# Altium PCB LimePSB-RPCM_1v3.PcbDoc (part 1 of 10) (continued)
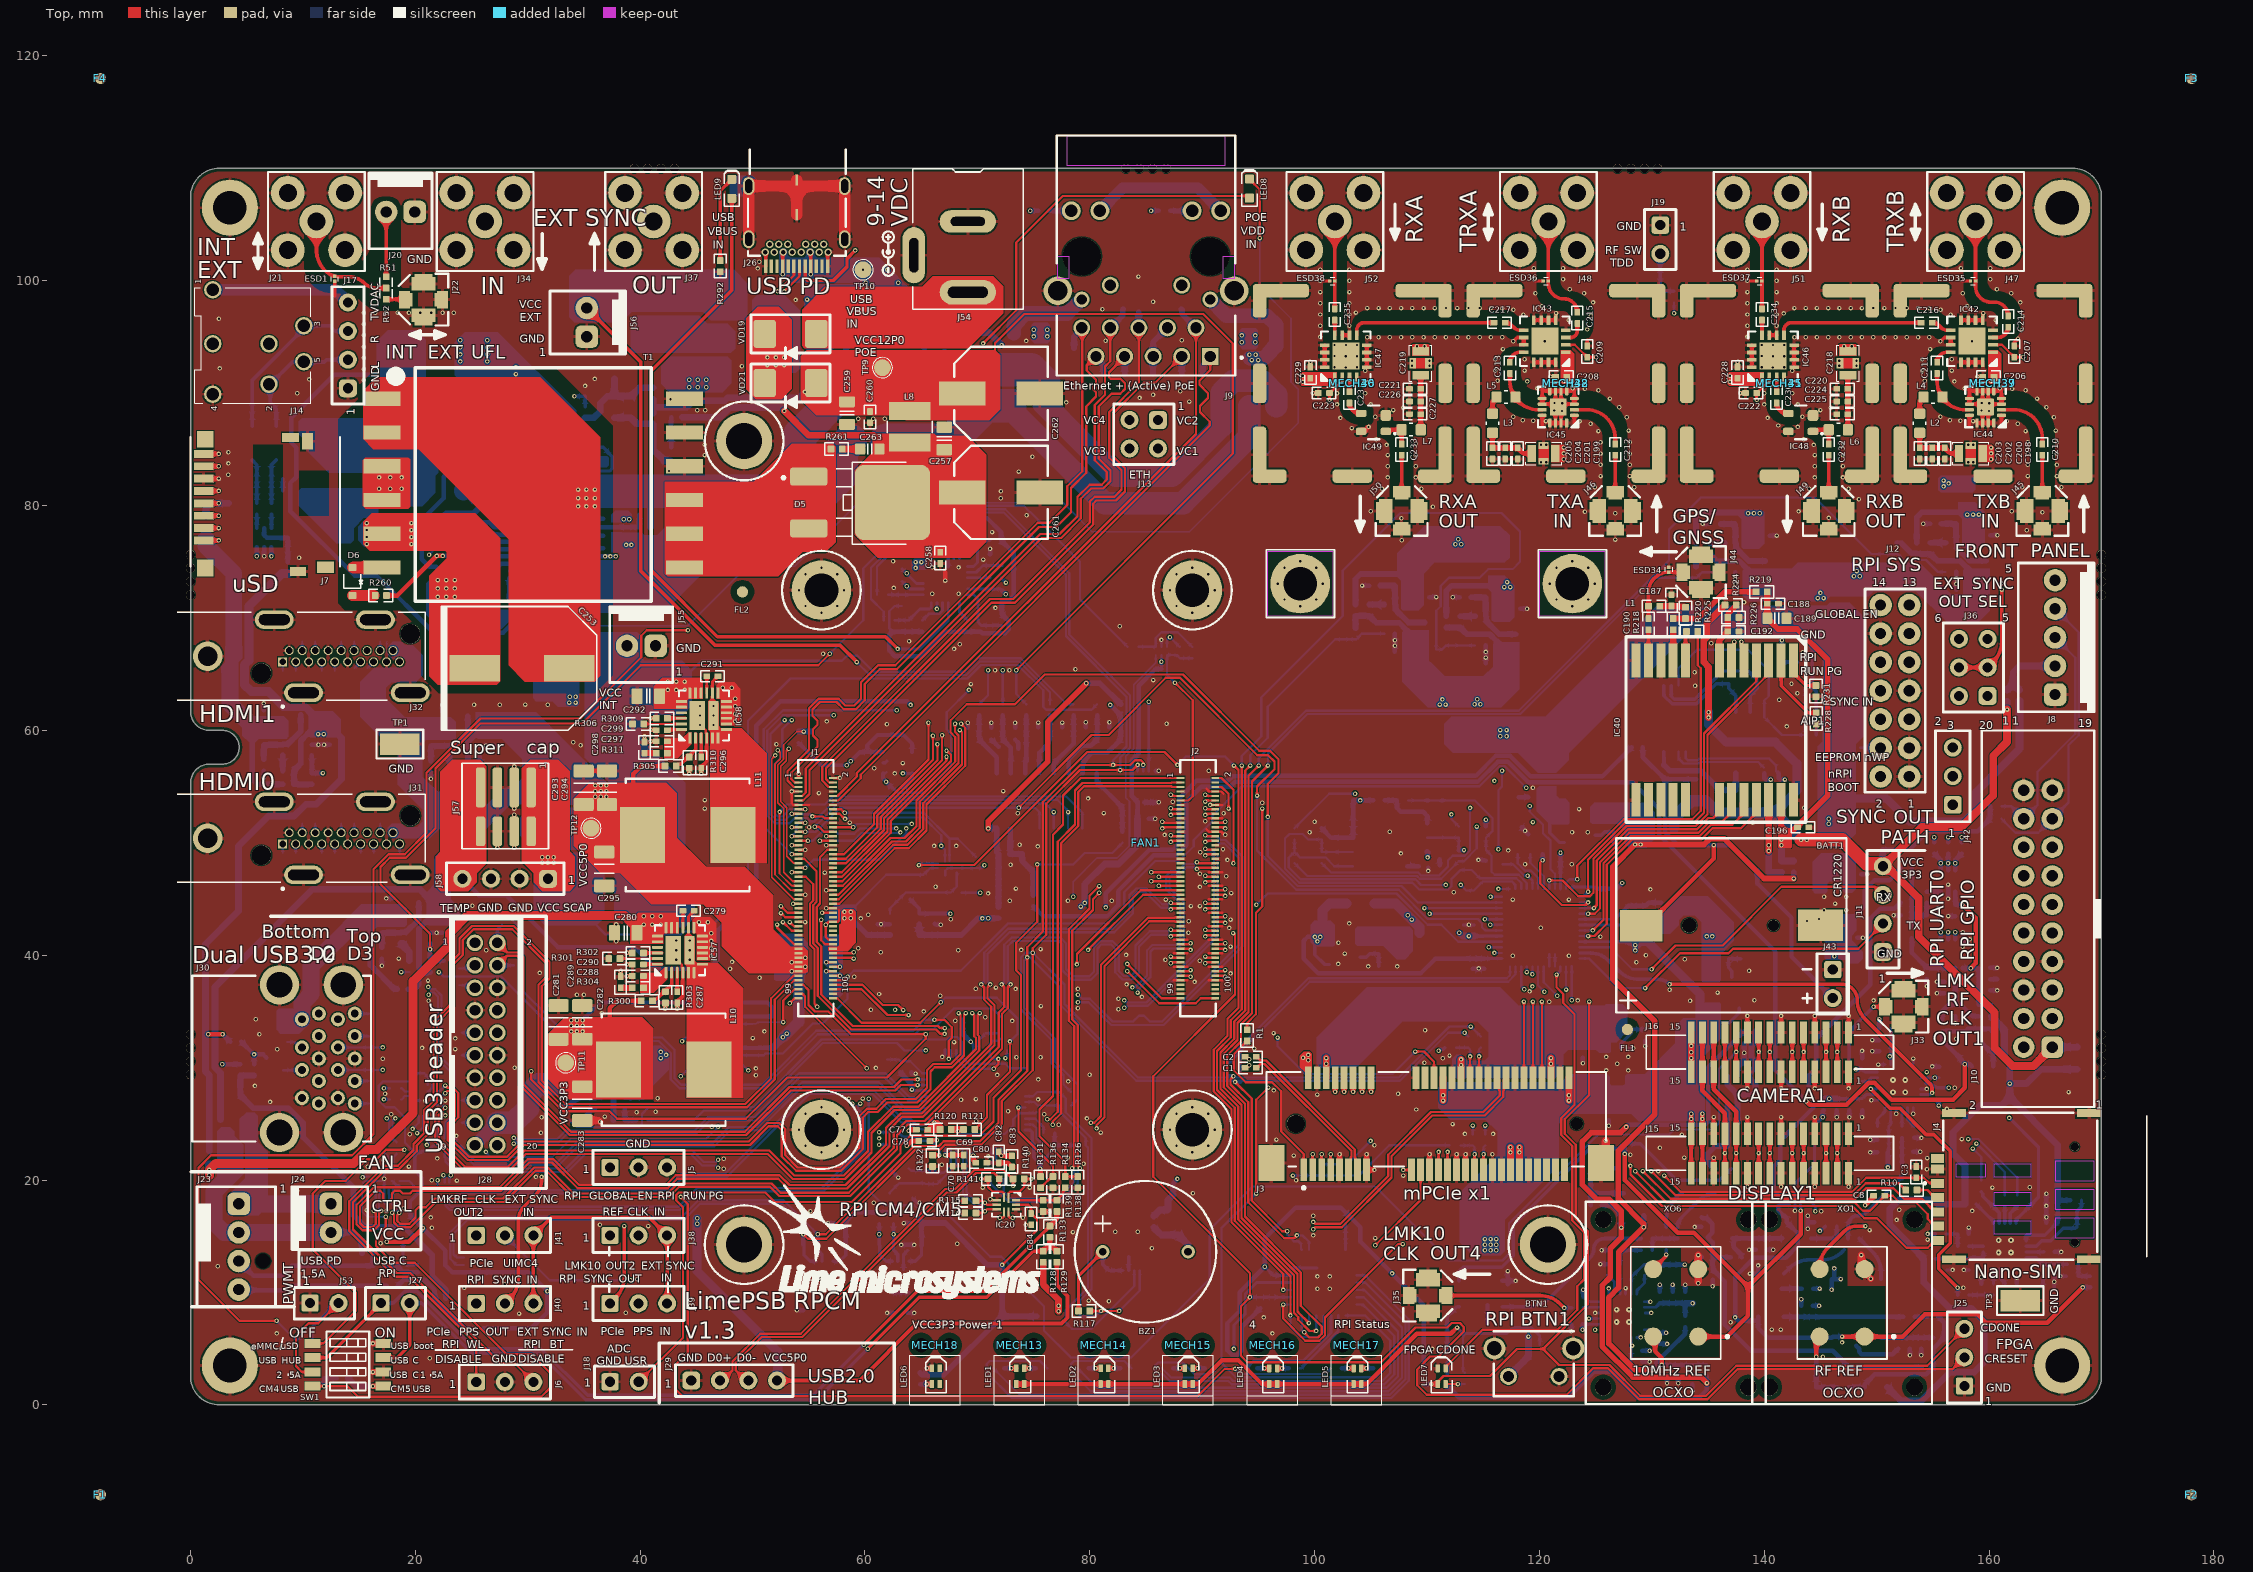
[diagram p0: Top view]
## Classes and differential pairs (continued)
differential pair ETH_TRD1: +ETH_TRD1_P -ETH_TRD1_N
differential pair ETH_TRD0: +ETH_TRD0_P -ETH_TRD0_N
differential pair EXT_USB_D: +EXT_USB_D_P -EXT_USB_D_N

## Components (designator, comment, footprint, x,y, rotation, side; value= is the part's Value field where it differs from the comment)
AT1 "PS2801-1-A" TCMT1107CT_optoisolator 39.6,84.55 r270 bottom
BATT1 "CR1220 Battery Holder" CR1220_SMD_holder 137.325,42.65 r180 top locked
BR1 "KMB210S" KMB210S_RECTIFIER_BRIDGE 95.375,91.85 r0 bottom
BR2 "KMB210S" KMB210S_RECTIFIER_BRIDGE 74.425,92.35 r0 bottom
BTN1 "Switch tactile right edge" SW_TACTILE_RIGHT_EDGE 119.5,3.775 r0 top locked
BZ1 "WST-1203UX" BUZZER_WST-1203UX 84.95,13.625 r90 top locked
C1 "100nF, 16V" CAP0402#1 94.3,29.975 r180 top
C2 "100nF, 16V" CAP0402#1 94.3,30.975 r180 top
C3 "1uF, 10V" CAP0402#1 153.525,20.7 r270 top
C4 "47uF, 10V" CAP1206#1 51.125,38.65 r0 bottom
C5 "47uF, 10V" CAP1206#1 51.15,41.005 r0 bottom
C6 "47uF, 10V" CAP1206#1 58.725,37.4 r180 bottom
C7 "47uF, 10V" CAP1206#1 58.725,39.898 r180 bottom
C8 "22pF, 50V" CAP0402#1 150.225,18.6 r0 top
C9 "100nF, 16V" CAP0402#2 86.375,65 r270 bottom
C10 "100nF, 16V" CAP0402#2 55.7,59.9 r0 bottom
C11 "100nF, 16V" CAP0402#2 51.8,34.05 r270 bottom
C12 "10uF, 16V" CAP0603#1 3.375,81.05 r270 bottom
C13 "100nF, 16V" CAP0402#2 1.8,80.7 r90 bottom
C14 "100nF, 16V" CAP0402#2 162.65,64.9 r0 bottom
C15 "100nF, 16V" CAP0402#2 51.8,31.26 r270 bottom
C16 "1uF, 10V" CAP0402#2 12.385,59.225 r270 bottom
C17 "100nF, 16V" CAP0402#2 6.51,61.273 r90 bottom
C18 "100nF, 16V" CAP0402#2 10.3,61.373 r0 bottom
C19 "100nF, 16V" CAP0402#2 150.55,49.875 r90 bottom
C20 "100nF, 16V" CAP0402#2 85.625,91.225 r270 bottom
C21 "100nF, 16V" CAP0402#2 119.525,4.305 r0 bottom
C22 "47uF, 10V" CAP1206#1 7.625,85.55 r270 bottom
C23 "100nF, 16V" CAP0402#2 7.7,82.375 r0 bottom
C24 "100nF, 16V" CAP0402#2 5.4,82.375 r0 bottom
C25 "47uF, 10V" CAP1206#1 5.475,85.55 r270 bottom
C26 "1uF, 10V" CAP0402#2 9.152,76.124 r180 bottom
C27 "100nF, 16V" CAP0402#2 9.15,77.125 r0 bottom
C28 "4.7uF, 6.3V" CAP0402#2 72.376,45.46 r180 bottom
C29 "100nF, 16V" CAP0402#2 84.75,52.149 r0 bottom
C30 "1uF, 10V" CAP0402#2 75.476,46.435 r180 bottom
C31 "100nF, 16V" CAP0402#2 75.476,47.435 r0 bottom
C32 "100nF, 16V" CAP0402#2 82.251,59.185 r180 bottom
C33 "100nF, 16V" CAP0402#2 82.4,53.15 r180 bottom
C34 "1uF, 10V" CAP0402#2 72.376,46.46 r180 bottom
C35 "100nF, 16V" CAP0402#2 72.376,47.46 r180 bottom
C36 "100nF, 16V" CAP0402#2 64.525,16.175 r180 bottom
C37 "100nF, 16V" CAP0402#2 69.651,59.185 r180 bottom
C38 "100nF, 16V" CAP0402#2 71.751,59.185 r180 bottom
C39 "100nF, 16V" CAP0402#2 73.851,59.185 r180 bottom
C40 "100nF, 16V" CAP0402#2 75.951,59.185 r180 bottom
C41 "100nF, 16V" CAP0402#2 78.051,59.185 r180 bottom
C42 "100nF, 16V" CAP0402#2 80.151,59.185 r180 bottom
C43 "100nF, 16V" CAP0402#2 57.775,16.175 r180 bottom
C44 "100nF, 16V" CAP0402#2 26.05,11.3 r270 bottom
C45 "100nF, 16V" CAP0402#2 102.25,15.075 r180 bottom
C46 "100nF, 16V" CAP0402#2 4.875,21.325 r0 bottom
C47 "100nF, 16V" CAP0402#2 96.325,12.025 r90 bottom
C48 "100nF, 16V" CAP0402#2 137.97,54.688 r0 bottom
C49 "100nF, 16V" CAP0402#2 15.75,14.525 r0 bottom
C50 "100nF, 16V" CAP0402#2 143.625,61.2 r90 bottom
C51 "100nF, 16V" CAP0402#2 143.785,67.55 r180 bottom
C52 "100nF, 16V" CAP0402#2 96.225,9.075 r270 bottom
C53 "4.7uF, 6.3V" CAP0402#2 126.2,46.4 r270 bottom
C54 "100nF, 16V" CAP0402#2 125.2,46.4 r90 bottom
C55 "4.7uF, 6.3V" CAP0402#2 129.15,40.7 r90 bottom
C56 "100nF, 16V" CAP0402#2 127.9,40.7 r270 bottom
C57 "4.7uF, 6.3V" CAP0402#2 122.375,48.6 r180 bottom
C58 "100nF, 16V" CAP0402#2 122.375,47.6 r0 bottom
C59 "4.7uF, 6.3V" CAP0402#2 114.1,39.2 r90 bottom
C60 "100nF, 16V" CAP0402#2 115.125,39.2 r270 bottom
C61 "100nF, 16V" CAP0402#2 102.925,53.775 r180 bottom
C62 "4.7uF, 6.3V" CAP0402#2 128.9,44.9 r270 bottom
C63 "100nF, 16V" CAP0402#2 127.9,44.9 r90 bottom
C64 "4.7uF, 6.3V" CAP0402#2 113.225,42.2 r270 bottom
C65 "100nF, 16V" CAP0402#2 114.225,42.2 r90 bottom
C66 "4.7uF, 6.3V" CAP0402#2 128.9,42.8 r90 bottom
C67 "100nF, 16V" CAP0402#2 127.9,42.8 r270 bottom
C68 "1uF, 10V" CAP0402#2 75.75,26.05 r180 bottom
C69 "1uF, 10V" CAP0402#1 68.8,21.725 r90 top
C70 "100nF, 16V" CAP0402#1 67.8,21.725 r270 top
C71 "100nF, 16V" CAP0402#2 64.125,29.075 r90 bottom
C72 "22pF, 50V" CAP0402#2 65.375,21.325 r270 bottom
C73 "22pF, 50V" CAP0402#2 65.375,19.15 r90 bottom
C74 "1uF, 10V" CAP0402#2 71.749,33.547 r270 bottom
C75 "100nF, 16V" CAP0402#2 70.75,33.55 r90 bottom
C76 "1uF, 10V" CAP0402#2 69.175,34.25 r180 bottom
C77 "100nF, 16V" CAP0402#1 65.075,24.475 r180 top
C78 "100nF, 16V" CAP0402#1 65.275,23.475 r180 top
C79 "100nF, 16V" CAP0402#2 75.075,21.475 r180 bottom
C80 "100nF, 16V" CAP0402#1 70.35,21.55 r0 top
C81 "100nF, 16V" CAP0402#2 69.2,33.175 r0 bottom
C82 "100nF, 16V" CAP0402#1 71.9,22.025 r270 top
C83 "1uF, 10V" CAP0402#1 73.075,21.65 r90 top
C84 "100nF, 16V" CAP0402#1 74.775,16.525 r270 top
C85 "100nF, 16V" CAP0402#2 81.65,11.525 r270 bottom
C86 "47uF, 10V" CAP1206#1 30.025,29.075 r270 bottom
C87 "1uF, 10V" CAP0402#2 40.21,27.837 r270 bottom
C88 "100nF, 16V" CAP0402#2 33.65,31.025 r90 bottom
C89 "47uF, 10V" CAP1206#1 30.7,24.95 r180 bottom
C90 "100nF, 16V" CAP0402#2 38.125,29.985 r0 bottom
C91 "47uF, 10V" CAP1206#1 6.8,34.25 r0 bottom
C92 "1uF, 10V" CAP0402#2 23.9,44.225 r0 bottom
C93 "100nF, 16V" CAP0402#2 18.048,44.548 r90 bottom
C94 "47uF, 10V" CAP1206#1 14.208,43.658 r0 bottom
C95 "100nF, 16V" CAP0402#2 20.813,44.648 r0 bottom
C96 "1uF, 10V" CAP0402#2 27.26,59.125 r270 bottom
C97 "100nF, 16V" CAP0402#2 22.41,61.173 r90 bottom
C98 "100nF, 16V" CAP0402#2 19.85,50.225 r270 bottom
C99 "100nF, 16V" CAP0402#2 20.875,65.025 r0 bottom
C100 "100nF, 16V" CAP0402#2 25.175,61.273 r0 bottom
C101 "100nF, 16V" CAP0402#2 20.05,16.825 r0 bottom
C102 "100nF, 16V" CAP0402#2 20.575,22.075 r270 bottom
C103 "100nF, 16V" CAP0402#2 18.25,28.175 r180 bottom
C104 "100nF, 16V" CAP0402#2 18.325,22.85 r90 bottom
C105 "100nF, 16V" CAP0402#2 18.25,27.175 r180 bottom
C106 "100nF, 16V" CAP0402#2 17.323,22.85 r90 bottom
C107 "100nF, 16V" CAP0402#2 21.25,29.5 r0 bottom
C108 "100nF, 16V" CAP0402#2 20.575,18.65 r270 bottom
C109 "100nF, 16V" CAP0402#2 144.125,2.85 r0 bottom
C110 "10uF, 16V" CAP0603#1 143.775,1.575 r0 bottom
C111 "100pF, 50V" CAP0402#2 144.125,3.85 r180 bottom
C112 "100nF, 16V" CAP0402#2 152.25,24.25 r270 bottom
C113 "100nF, 16V" CAP0402#2 152.25,20.8 r270 bottom
C114 "100nF, 16V" CAP0402#2 153.35,24.25 r90 bottom
C115 "100nF, 16V" CAP0402#2 152.965,5.49 r90 bottom
C116 "1uF, 10V" CAP0402#2 153.965,5.49 r90 bottom
C117 "1uF, 10V" CAP0402#2 150.75,32.45 r0 bottom
C118 "100nF, 16V" CAP0402#2 150.575,22.45 r0 bottom
C119 "100pF, 50V" CAP0402#2 150.575,23.575 r0 bottom
C120 "100pF, 50V" CAP0402#2 150.75,31.45 r0 bottom
C121 "1uF, 10V" CAP0402#2 144.3,8.325 r270 bottom
C122 "100nF, 16V" CAP0402#2 143.3,8.325 r270 bottom
C123 "18nF, 16V" CAP0402#2 143.85,10.35 r180 bottom
C124 "1uF, 10V" CAP0402#2 146.45,26.725 r90 bottom
C125 "100nF, 16V" CAP0402#2 147.575,26.725 r90 bottom
C126 "100pF, 50V" CAP0402#2 155.575,29.6 r270 bottom
C127 "100pF, 50V" CAP0402#2 148.7,26.725 r90 bottom
C128 "100pF, 50V" CAP0402#2 156.1,27.1 r180 bottom
C129 "100pF, 50V" CAP0402#2 148.7,30.35 r270 bottom
C130 "100nF, 16V" CAP0402#2 134.9,13.125 r0 bottom
C131 "100nF, 16V" CAP0402#2 140.225,14.3 r90 bottom
C132 "1uF, 10V" CAP0402#2 135.4,11.575 r90 bottom
C133 "1uF, 10V" CAP0402#2 139.225,14.3 r90 bottom
C134 "100nF, 16V" CAP0402#2 165.6,18.2 r0 bottom
C135 "100nF, 16V" CAP0402#2 156.25,12.5 r90 bottom
C136 "100pF, 50V" CAP0402#2 158.25,12.5 r270 bottom
C137 "100pF, 50V" CAP0402#2 157.25,12.5 r270 bottom
C138 "100pF, 50V" CAP0402#2 160.4,10.275 r270 bottom
C139 "100pF, 50V" CAP0402#2 157.7,9.775 r180 bottom
C140 "1uF, 10V" CAP0402#2 159.598,36.864 r180 bottom
C141 "100nF, 16V" CAP0402#2 159.598,37.864 r0 bottom
C142 "100pF, 50V" CAP0402#2 159.598,38.864 r0 bottom
C143 "100nF, 16V" CAP0402#2 152.64,43.549 r0 bottom
C144 "100pF, 50V" CAP0402#2 165.6,16.2 r180 bottom
C145 "100pF, 50V" CAP0402#2 165.6,17.2 r180 bottom
C146 "100pF, 50V" CAP0402#2 168.325,15.8 r180 bottom
C147 "100nF, 16V" CAP0402#2 142.736,20.175 r270 bottom
C148 "1nF, 50V" CAP0402#2 154.474,38.374 r270 bottom
C149 "100nF, 16V" CAP0402#2 168.325,16.8 r0 bottom
C150 "1nF, 50V" CAP0402#2 157.7,14.1 r180 bottom
C151 "1nF, 50V" CAP0402#2 155.7,15.2 r180 bottom
C152 "1uF, 10V" CAP0402#2 156.499,36.624 r0 bottom
C153 "100nF, 16V" CAP0402#2 156.499,37.63 r180 bottom
C154 "22pF, 50V" CAP0402#2 167.449,11.45 r0 bottom
C155 "22pF, 50V" CAP0402#2 164.799,12 r90 bottom
C156 "22pF, 50V" CAP0402#2 165.799,12 r90 bottom
C157 "220pF, 10%" CAP0402#2 161.95,10.825 r0 bottom
C158 "22pF, 50V" CAP0402#2 160.35,18.15 r90 bottom
C159 "100nF, 16V" CAP0402#2 157.001,43.988 r270 bottom
C160 "100nF, 16V" CAP0402#2 132.35,3.05 r90 bottom
C161 "10uF, 16V" CAP0603#1 133.6,2.697 r90 bottom
C162 "100pF, 50V" CAP0402#2 131.35,3.05 r270 bottom
C163 "100nF, 16V" CAP0402#2 127.164,12.024 r90 bottom
C164 "100nF, 16V" CAP0402#2 129.55,13.75 r0 bottom
C165 "100nF, 16V" CAP0402#2 126.064,12.024 r270 bottom
C166 "100nF, 16V" CAP0402#2 124.05,18.825 r0 bottom
C167 "1uF, 10V" CAP0402#2 124.05,19.825 r0 bottom
C168 "1uF, 10V" CAP0402#2 128.664,3.824 r180 bottom
C169 "100nF, 16V" CAP0402#2 131.875,11.975 r90 bottom
C170 "100pF, 50V" CAP0402#2 128.664,4.824 r180 bottom
C171 "100pF, 50V" CAP0402#2 130.75,11.975 r90 bottom
C172 "1uF, 10V" CAP0402#2 111.3,5.85 r0 bottom
C173 "100nF, 16V" CAP0402#2 111.3,6.85 r0 bottom
C174 "18nF, 16V" CAP0402#2 114.875,7.275 r0 bottom
C175 "1uF, 10V" CAP0402#2 132.964,9.549 r270 bottom
C176 "100nF, 16V" CAP0402#2 131.839,9.549 r270 bottom
C177 "100pF, 50V" CAP0402#2 123.389,9.674 r0 bottom
C178 "100pF, 50V" CAP0402#2 123.339,7.174 r0 bottom
C179 "100pF, 50V" CAP0402#2 130.714,9.549 r270 bottom
C180 "100pF, 50V" CAP0402#2 130.714,5.924 r90 bottom
C181 "100nF, 16V" CAP0402#2 138.7,30.575 r0 bottom
C182 "100nF, 16V" CAP0402#2 137.175,23.025 r180 bottom
C183 "1uF, 10V" CAP0402#2 138.7,32.175 r0 bottom
C184 "1uF, 10V" CAP0402#2 137.175,24.025 r180 bottom
C185 "100nF, 16V" CAP0402#2 60.838,42.3 r90 bottom
C186 "100nF, 16V" CAP0402#2 66.212,42.3 r90 bottom
C187 "22pF, 50V" CAP0402#1 131.75,71.575 r270 top
C188 "1uF, 10V" CAP0402#1 140.775,71.275 r180 top
C189 "10uF, 6.3V" CAP0603#2 141.125,69.975 r180 top
C190 "100pF, 50V" CAP0402#1 129.7,69.45 r270 top
C191 "100nF, 16V" CAP0402#2 62.85,60.1 r90 bottom
C192 "100nF, 16V" CAP0402#1 137.25,68.8 r0 top
C193 "100nF, 16V" CAP0402#2 60.213,57.575 r270 bottom
C194 "100nF, 16V" CAP0402#2 65.2,46.65 r270 bottom
C195 "100nF, 16V" CAP0402#2 139.9,48.425 r180 bottom
C196 "100nF, 16V" CAP0402#1 143.45,51.375 r180 top
C197 "100pF, 50V" CAP0402#2 142.025,49.425 r0 bottom
C198 "470nF, 16V" CAP0805_FEEDTHROUGH 158.375,84.637 r180 top
C199 "470nF, 16V" CAP0805_FEEDTHROUGH 120.375,84.637 r180 top
C200 "1uF, 10V" CAP0402#1 156.075,84.637 r90 top
C201 "1uF, 10V" CAP0402#1 118.075,84.637 r90 top
C202 "100nF, 16V" CAP0402#1 154.95,84.637 r270 top
C203 "100pF, 50V" CAP0402#1 153.825,84.637 r90 top
C204 "100nF, 16V" CAP0402#1 116.95,84.637 r270 top
C205 "100pF, 50V" CAP0402#1 115.825,84.637 r90 top
C206 "100pF, 50V" CAP0402#1 159.94,91.475 r180 top
C207 "10nF, 50V" CAP0402#1 162.25,93.7 r270 top
C208 "100pF, 50V" CAP0402#1 121.94,91.475 r180 top
C209 "10nF, 50V" CAP0402#1 124.25,93.7 r270 top
C210 "100pF, 50V" CAP0402#1 164.74,84.975 r270 top
C211 "100pF, 50V" CAP0402#1 155.375,92.25 r270 top
C212 "100pF, 50V" CAP0402#1 126.74,84.975 r270 top
C213 "100pF, 50V" CAP0402#1 117.375,92.25 r270 top
C214 "100pF, 50V" CAP0402#1 161.7,96.375 r270 top
C215 "100pF, 50V" CAP0402#1 123.375,96.7 r270 top
C216 "100pF, 50V" CAP0402#1 154.45,96.275 r0 top
C217 "100pF, 50V" CAP0402#1 116.45,96.275 r0 top
C218 "470nF, 16V" CAP0805_FEEDTHROUGH 147.44,92.663 r270 top
C219 "470nF, 16V" CAP0805_FEEDTHROUGH 109.44,92.663 r270 top
C220 "1uF, 10V" CAP0402#1 146.94,90.388 r0 top
C221 "1uF, 10V" CAP0402#1 108.94,90.388 r0 top
C222 "10nF, 50V" CAP0402#1 138.825,90.015 r180 top
C223 "10nF, 50V" CAP0402#1 100.825,90.015 r180 top
C224 "100nF, 16V" CAP0402#1 146.94,89.263 r180 top
C225 "100pF, 50V" CAP0402#1 146.94,88.138 r0 top
C226 "100nF, 16V" CAP0402#1 108.94,89.263 r180 top
C227 "100pF, 50V" CAP0402#1 108.94,88.138 r0 top
C228 "100pF, 50V" CAP0402#1 137.625,91.825 r90 top
C229 "100pF, 50V" CAP0402#1 99.625,91.825 r90 top
C230 "100pF, 50V" CAP0402#1 141.1,89.622 r270 top
C231 "100pF, 50V" CAP0402#1 103.1,89.622 r270 top
C232 "100pF, 50V" CAP0402#1 145.74,84.975 r270 top
C233 "100pF, 50V" CAP0402#1 107.74,84.975 r270 top
C234 "100pF, 50V" CAP0402#1 139.8,97 r270 top
C235 "100pF, 50V" CAP0402#1 101.8,97 r270 top
C236 "1uF, 10V" CAP0402#2 157.523,72.515 r180 bottom
C237 "1uF, 10V" CAP0402#2 137.937,72.488 r180 bottom
C238 "1uF, 10V" CAP0402#2 115.727,65.975 r180 bottom
C239 "1uF, 10V" CAP0402#2 107.65,67.015 r180 bottom
C240 "100nF, 16V" CAP0402#2 159.623,77.365 r0 bottom
C241 "100nF, 16V" CAP0402#2 139.985,77.338 r0 bottom
C242 "100nF, 16V" CAP0402#2 117.775,70.825 r0 bottom
C243 "100nF, 16V" CAP0402#2 109.698,71.865 r0 bottom
C244 "100nF, 16V" CAP0402#2 159.723,74.6 r270 bottom
C245 "100nF, 16V" CAP0402#2 140.085,74.572 r270 bottom
C246 "100nF, 16V" CAP0402#2 117.875,68.06 r270 bottom
C247 "100nF, 16V" CAP0402#2 109.798,69.1 r270 bottom
C248 "1uF, 10V" CAP0402#2 111.95,64.875 r270 bottom
C249 "1uF, 10V" CAP0402#2 147.325,75.1 r270 bottom
C250 "100nF, 16V" CAP0402#2 113.075,64.875 r90 bottom
C251 "100nF, 16V" CAP0402#2 146.325,75.1 r90 bottom
C252 "100nF, 100V" CAP0603#1 34.575,83.05 r270 bottom
C253 "100uF, 63V" CAP_POL_D10_H10 29.475,65.525 r180 top
C254 "100nF, 100V" CAP0603#1 46.55,79.425 r90 bottom
C255 "1nF, 100V" CAP0603#1 66.275,87.825 r270 bottom
C256 "2.2uF, 100V" CAP1206#1 25.425,74.7 r270 bottom
C257 "10uF, 25V" CAP0805#1 67.05,85.975 r270 top
C258 "22nF, 50V" CAP0402#1 66.7,75.35 r270 top
C259 "10uF, 25V" CAP0805#1 58.4,88.225 r90 top
C260 "22nF, 50V" CAP0402#1 60.45,87.875 r270 top
C261 "100uF, 16V" CAP_POL_SIZE_F_v2 72.1,81.175 r0 top
C262 "100uF, 16V" CAP_POL_SIZE_F_v2 72.1,89.975 r0 top
C263 "470pF, 200V" CAP0603#2 60.425,85.025 r0 top
C264 "470nF, 50V" CAP0603#1 22.8,77.275 r0 bottom
C265 "10nF, 50V" CAP0402#2 22.725,78.5 r0 bottom
C266 "100pF, 200V" CAP0603#1 14.5,77.45 r0 bottom
C267 "1000pF, 2kV" CAP1812 22.9,69.05 r90 bottom
C268 "47nF, 50V" CAP0603#1 39.025,88.775 r270 bottom
C269 "47nF, 50V" CAP0603#1 27.6,80.6 r0 bottom
C270 "1uF, 25V" CAP0603#1 63.775,95.925 r90 bottom
C271 "1uF, 25V" CAP0603#1 60.1,102.4 r270 bottom
C272 "1uF, 25V" CAP0603#1 54.7,99.1 r0 bottom
C273 "1uF, 10V" CAP0402#2 68.891,77.395 r270 bottom
C274 "1uF, 10V" CAP0402#2 67.266,77.845 r0 bottom
C275 "100nF, 16V" CAP0402#2 67.266,78.845 r180 bottom
C276 "100nF, 16V" CAP0402#2 67.266,76.845 r180 bottom
C277 "390pF, 50V" CAP0402#2 62.791,73.245 r180 bottom
C278 "390pF, 50V" CAP0402#2 62.791,74.37 r180 bottom
C279 "100nF, 16V" CAP0402#1 44.3,43.95 r0 top
C280 "10uF, 25V" CAP0805#1 38.712,41.99 r0 top
C281 "47uF, 6.3V" CAP1206#2 32.731,34.019 r270 top
C282 "47uF, 6.3V" CAP1206#2 34.85,34.025 r270 top
C283 "100uF, 6.3V" CAP1206#2 34.85,26.8 r90 top
C284 "10uF, 25V" CAP0805#2 48.2,91.175 r180 bottom
C285 "22nF, 50V" CAP0402#2 43.375,90.1 r270 bottom
C286 "22nF, 50V" CAP0402#2 37.025,96.15 r270 bottom
C287 "1uF, 10V" CAP0402#1 43.3,36.25 r270 top
C288 "4.7pF, 50V" CAP0402#1 39.8,38.15 r180 top
C289 "1200pF, 50V" CAP0402#1 38.261,37.6 r90 top
C290 "22nF, 50V" CAP0402#1 39.8,39.175 r180 top
C291 "100nF, 16V" CAP0402#1 46.425,64.825 r0 top
C292 "10uF, 25V" CAP0805#1 40.725,63.05 r0 top
C293 "47uF, 6.3V" CAP1206#2 34.975,54.9 r270 top
C294 "47uF, 6.3V" CAP1206#2 37.05,54.9 r270 top
C295 "100uF, 6.3V" CAP1206#2 36.8,47.675 r90 top
C296 "1uF, 10V" CAP0402#1 45.425,57.125 r270 top
C297 "2.2pF, 50V" CAP0402#1 41.925,59.025 r180 top
C298 "1200pF, 50V" CAP0402#1 40.386,58.475 r90 top
C299 "100nF, 16V" CAP0402#1 41.925,60.025 r0 top
C300 "100nF, 16V" CAP0402#2 157.483,31.295 r270 bottom
C301 "4.7uF, 6.3V" CAP0402#2 148.15,47.225 r180 bottom
C302 "4.7uF, 6.3V" CAP0402#2 147.775,41.55 r180 bottom
C303 "4.7uF, 6.3V" CAP0402#2 165.85,29.35 r90 bottom
C304 "4.7uF, 6.3V" CAP0402#2 133.925,35.275 r0 bottom
C305 "4.7uF, 6.3V" CAP0402#2 134.225,39.675 r0 bottom
C306 "4.7uF, 6.3V" CAP0402#2 101.8,42.525 r180 bottom
C307 "4.7uF, 6.3V" CAP0402#2 105.7,42.725 r270 bottom
C308 "4.7uF, 6.3V" CAP0402#2 126.175,25.825 r90 bottom
C309 "4.7uF, 6.3V" CAP0402#2 123.875,31.4 r90 bottom
C310 "4.7uF, 6.3V" CAP0402#2 122.2,53.875 r270 bottom
C311 "4.7uF, 6.3V" CAP0402#2 126.6,53.575 r270 bottom
C312 "4.7uF, 6.3V" CAP0402#2 128.025,53.575 r270 bottom
D1 "BAT54C" BAT54C_SOT23-3 134.908,54.688 r0 bottom
D2 "BAS316" BAS316_DIODE_SOD323#1 104.1,44.6 r180 bottom
D3 "SMBJ100A" SMBJ100A_DIODE_DO-214AA 31.075,83.575 r270 bottom
D4 "ER2D-LTP" ER2D-LTP_DIODE_DO-214AA 21.775,81.225 r180 bottom
D5 "12CWQ06FN" 12CWQ06FN_diode_array_DPAK 58.525,80.275 r180 top
D6 "BAS316" BAS316_DIODE_SOD323#2 14.4,73.25 r90 top
D7 "BAS316" BAS316_DIODE_SOD323#1 24.025,89.225 r0 bottom
D8 "ER2D-LTP" ER2D-LTP_DIODE_DO-214AA 15.225,82.5 r90 bottom
D9 "NCP431AVSNT1G" SOT23-6 36.4,88.775 r180 bottom
D10 "NZH10C-115" NZH10C,115_shottky_diode_SOD123 67.15,95.375 r90 bottom
ESD1 "ESD8472" ESD8472_X3DFN2 12.825,100.175 r270 top
ESD2 "ESD8472" ESD8472_X3DFN2 24.075,24.875 r270 bottom
ESD3 "ESD8472" ESD8472_X3DFN2 24.075,27.325 r90 bottom
ESD4 "ESD8472" ESD8472_X3DFN2 23.85,31.1 r180 bottom
ESD5 "ESD8472" ESD8472_X3DFN2 23.85,33.1 r180 bottom
ESD6 "ESD8472" ESD8472_X3DFN2 8.2,48.85 r270 bottom
ESD7 "ESD8472" ESD8472_X3DFN2 9.356,48.85 r270 bottom
ESD8 "ESD8472" ESD8472_X3DFN2 9.934,51.947 r90 bottom
ESD9 "ESD8472" ESD8472_X3DFN2 11.09,51.947 r90 bottom
ESD10 "ESD8472" ESD8472_X3DFN2 11.668,48.85 r270 bottom
ESD11 "ESD8472" ESD8472_X3DFN2 12.824,48.85 r270 bottom
ESD12 "ESD8472" ESD8472_X3DFN2 13.402,51.947 r90 bottom
ESD13 "ESD8472" ESD8472_X3DFN2 14.558,51.947 r90 bottom
ESD14 "ESD8472" ESD8472_X3DFN2 15.136,48.85 r270 bottom
ESD15 "ESD8472" ESD8472_X3DFN2 16.292,48.85 r270 bottom
ESD16 "ESD8472" ESD8472_X3DFN2 16.87,51.947 r90 bottom
ESD17 "ESD8472" ESD8472_X3DFN2 18.604,48.85 r270 bottom
ESD18 "ESD8472" ESD8472_X3DFN2 8.2,65.05 r270 bottom
ESD19 "ESD8472" ESD8472_X3DFN2 9.356,65.05 r270 bottom
ESD20 "ESD8472" ESD8472_X3DFN2 9.934,68.147 r90 bottom
ESD21 "ESD8472" ESD8472_X3DFN2 11.09,68.147 r90 bottom
ESD22 "ESD8472" ESD8472_X3DFN2 11.668,65.05 r270 bottom
ESD23 "ESD8472" ESD8472_X3DFN2 12.824,65.05 r270 bottom
ESD24 "ESD8472" ESD8472_X3DFN2 13.402,68.147 r90 bottom
ESD25 "ESD8472" ESD8472_X3DFN2 14.558,68.147 r90 bottom
ESD26 "ESD8472" ESD8472_X3DFN2 14.395,65.357 r225 bottom
ESD27 "ESD8472" ESD8472_X3DFN2 15.551,65.357 r225 bottom
ESD28 "ESD8472" ESD8472_X3DFN2 16.87,68.147 r90 bottom
ESD29 "ESD8472" ESD8472_X3DFN2 17.525,68.15 r90 bottom
ESD30 "ESD8472" ESD8472_X3DFN2 16.1,26.8 r0 bottom
ESD31 "ESD8472" ESD8472_X3DFN2 16.1,28.8 r0 bottom
ESD32 "ESD8472" ESD8472_X3DFN2 16.1,32.8 r0 bottom
ESD33 "ESD8472" ESD8472_X3DFN2 16.1,34.8 r0 bottom
ESD34 "ESD8472" ESD8472_X3DFN2 131.5,74.3 r90 top
ESD35 "ESD8472" ESD8472_X3DFN2 158.575,99.975 r180 top
ESD36 "ESD8472" ESD8472_X3DFN2 120.575,99.975 r180 top
ESD37 "ESD8472" ESD8472_X3DFN2 139.575,99.975 r180 top
ESD38 "ESD8472" ESD8472_X3DFN2 101.575,99.975 r180 top
F1 "Fiducial" Fiducial -8.015,-8 r0 top
F2 "Fiducial" Fiducial 178.015,-8 r0 top
F3 "Fiducial" Fiducial 178.015,118 r0 top
F4 "Fiducial" Fiducial -8.015,118 r0 top
F5 "Fiducial" Fiducial -8.015,-8 r0 bottom
F6 "Fiducial" Fiducial 178.015,-8 r0 bottom
F7 "Fiducial" Fiducial 178.015,118 r0 bottom
F8 "Fiducial" Fiducial -8.015,118 r0 bottom
F9 "0R" RES0805 50.1,97.55 r0 bottom
F10 "0R" RES0805 37.875,52.475 r180 bottom
FAN1 "12V DC FAN" FAN_80mm_V1 85,50 r0 top locked
FL1 "Fiducial" Fiducial_local 127.825,33.4 r0 top
FL2 "Fiducial" Fiducial_local 49.1,72.325 r0 top
FL3 "Fiducial" Fiducial_local 140.075,25.8 r180 bottom
FL4 "Fiducial" Fiducial_local 49,69.525 r180 bottom
FR1 "600R, 2A" RES0805 1.375,78.05 r270 bottom
FR2 "600R, 0.5A" RES0402#1 8.65,74.452 r270 bottom
FR3 "600R, 0.5A" RES0402#1 71.876,43.785 r90 bottom
FR4 "600R, 2A" RES0805 149.95,1.575 r180 bottom
FR5 "600R, 0.5A" RES0402#1 150.75,33.5 r0 bottom
FR6 "600R, 0.5A" RES0402#1 145.275,26.725 r90 bottom
FR7 "600R, 0.5A" RES0402#1 154.7,13 r0 bottom
FR8 "600R, 0.5A" RES0402#1 160.199,35.074 r270 bottom
FR9 "600R, 2A" RES0805 128.275,16.8 r180 bottom
FR10 "600R, 0.5A" RES0402#1 128.664,2.774 r180 bottom
FR11 "600R, 0.5A" RES0402#1 132.975,7.425 r90 bottom
FR12 "600R, 0.5A" RES0402#1 142.625,47.875 r90 bottom
FR13 "600R, 2A" RES0805 112.925,61.8 r90 bottom
FR14 "600R, 2A" RES0805 146.875,71.95 r90 bottom
FR15 "600R, 2A" RES0805 60.15,89.825 r180 bottom
FR16 "600R, 2A" RES0805 60.15,85.825 r180 bottom
FR17 "600R, 2A" RES0805 47.35,93.525 r270 bottom
FR18 "600R, 2A" RES0805 146.225,49.05 r270 bottom
FR19 "600R, 2A" RES0805 167.85,30.85 r270 bottom
FR20 "600R, 2A" RES0805 120.75,55.625 r270 bottom
FR21 "600R, 2A" RES0805 130.875,51.725 r180 bottom
IC1 "74LVC1G3157FZ4" 74LVC1G3157FZ4_SPDT_SW_DFN1410-6 86.375,67.075 r270 bottom
IC2 "74LVC1G34QSE-7" 74AHCT1G126SE-7_BUFFER_SOT353 49.025,33.89 r180 bottom
IC3 "74LVC1G34QSE-7" 74AHCT1G126SE-7_BUFFER_SOT353 49.025,31.1 r180 bottom
IC4 "MIC2039" SOT23-6 9.5,58.725 r180 bottom
IC5 "NC7WZ16P6X" SC-70_NC7WZ16P6X 6.55,77.125 r90 bottom
IC6 "MCP3208" MCP3208-CI/SL_SOIC16 76.158,53.727 r270 bottom locked
IC7 "LM75" HWSON8_LM75 85,55 r270 bottom
IC8 "CAT24C128WI-GT3" SOIC127P600-8DL_v2 63.175,11.375 r90 bottom
IC9 "M24128" M24128-DFMC6TG 63.175,11.375 r90 bottom
IC10 "EMC2301-1-ACZL-TR" EMC2301-1-ACZL-TR_MOTOR_DRIVER_TSSOP8 22.25,12.125 r180 bottom
IC11 "ATECC508A" SOIC127P600-8DL_v2 56.425,11.375 r90 bottom
IC12 "ATECC508A" ATECC508A_UDFN8 56.425,11.325 r90 bottom
IC13 "MCP23017-E/ML" MCP23017-E/ML_QFN28 100.8,10.875 r0 bottom
IC14 "PCF85063AT" PCF85063AT_RTC_SOIC-8 139.375,58.9 r270 bottom
IC15 "PCF85063AT" PCF85063AT_RTC_TSSOP8 132.05,61.05 r270 bottom
IC16 "74LVC1G34QSE-7" 74AHCT1G126SE-7_BUFFER_SOT353 143.625,65.115 r90 bottom
IC17 "ICE5LP4K-SG48ITR" ICE5LP4K-SG48ITR_Lattice_FPGA_QFN48 120.125,42.45 r0 bottom locked
IC18 "MX25U1632FM2I02" S25FL164K_WSON8_DFN6 106.725,49.825 r180 bottom
IC19 "USB2517" USB2517-JZX-TR_USB_HUB_QFN64 69.875,27.2 r0 bottom locked
IC20 "NX3DV42GU" FSUSB42UMX#1 72.575,17.8 r270 top
IC21 "M24C02" SOIC127P600-8DL_v2 77.2,10.725 r270 bottom
IC22 "AT24C02" M24128-DFMC6TG 83.7,13.35 r270 bottom
IC23 "MIC2039" SOT23-6 37.325,27.337 r180 bottom
IC24 "MIC2039" SOT23-6 20.013,42 r180 bottom
IC25 "NX3DV42GU" FSUSB42UMX#2 22.825,19.15 r270 bottom
IC26 "NX3DV42GU" FSUSB42UMX#2 22.825,23.075 r270 bottom
IC27 "MIC2039" SOT23-6 24.375,58.625 r180 bottom
IC28 "FUSB340TMX" FUSB340TMX_USB_SWITCH_18-XFQFN 20.9,27.075 r180 bottom locked
IC29 "FUSB340TMX" FUSB340TMX_USB_SWITCH_18-XFQFN 17.223,20.125 r90 bottom
IC30 "LMK00105" LMK00105SQ 152,28.35 r0 bottom
IC31 "LP5907-3.0" SOT23-5 135.725,15.75 r0 bottom
IC32 "74LVC1G3157FZ4" 74LVC1G3157FZ4_SPDT_SW_DFN1410-6 142.736,18.185 r90 bottom
IC33 "AD5662" AD5662_SOT23-8 156.674,40.149 r90 bottom
IC34 "ADF4002" ADF4002 161.4,14.1 r90 bottom
IC35 "AD5601BKSZ-REEL7" AD5601_SOT23-6 156.349,46.599 r270 bottom
IC36 "LMK00105" LMK00105SQ 127.414,7.924 r180 bottom
IC37 "LP5907-3.0" SOT23-5 137.65,27.925 r270 bottom
IC38 "SN74AVC1T45DBV" SOT23-6 63.525,42.75 r0 bottom
IC39 "NX3DV42GU" FSUSB42UMX#3 67.323,47.75 r270 bottom
IC40 "NEO-M8Q" NEO-7M/8M 135.6,60.025 r90 top locked
IC41 "SN74AVC1T45DBV" SOT23-6 62.9,57.125 r180 bottom
IC42 "SKY13286" SKY13286-359LF_RF_switch_QFN16 158.475,94.625 r180 top
IC43 "SKY13286" SKY13286-359LF_RF_switch_QFN16 120.475,94.625 r180 top
IC44 "TQP3M9018" TQP3M9018_PA_QFN16 159.675,88.775 r180 top
IC45 "TQP3M9018" TQP3M9018_PA_QFN16 121.675,88.775 r180 top
IC46 "SKY13286" SKY13286-359LF_RF_switch_QFN16 140.775,93.29 r90 top
IC47 "SKY13286" SKY13286-359LF_RF_switch_QFN16 102.775,93.29 r90 top
IC48 "SPF5043Z" SPF5043Z_SOT-343 143.24,87.4 r90 top
IC49 "SPF5043Z" SPF5043Z_SOT-343 105.24,87.4 r90 top
IC50 "MIC2039" SOT23-6 157.075,75.4 r90 bottom
IC51 "MIC2039" SOT23-6 137.437,75.372 r90 bottom
IC52 "MIC2039" SOT23-6 115.227,68.86 r90 bottom
IC53 "MIC2039" SOT23-6 107.15,69.9 r90 bottom
IC54 "NCP1083" NCP1083_PoE_controller_TSSOP20 31.45,76.45 r180 bottom
IC55 "IRF9358TRPBF" IRF9358TRPBF_DUAL_NMOS_SOIC8 60.15,95.975 r90 bottom
IC56 "CYPD3177-24LQXQT" USB_POWER_DISTR_CYPD3177_QFN24 67.15,73.325 r180 bottom
IC57 "ADP2386" ADP2386 43.55,40.45 r90 top
IC58 "ADP2386" ADP2386 45.675,61.325 r90 top
IC59 "AP7361-FGE" AP7361 146.3,44.6 r90 bottom
IC60 "AP7361-FGE" AP7361 136.8,36.65 r270 bottom
IC61 "AP7361-FGE" AP7361 102.675,40.15 r180 bottom
IC62 "AS431" SOT23-3_v2 159.425,28.975 r270 bottom
IC63 "AP7361-FGE" AP7361 126.925,30.35 r270 bottom
IC64 "AP7361-FGE" AP7361 123.575,51 r180 bottom
J1 "DF40C-100DS-0.4V(51)" FP-DF40C-100DS-0.4V(51) 55.625,45.975 r270 top locked
J2 "DF40C-100DS-0.4V(51)" FP-DF40C-100DS-0.4V(51) 89.625,45.975 r270 top locked
J3 "1775862-2" MINIPCIE_CONNECTOR_XTRX 110.825,25.4 r0 top locked
J4 "nano SIM (push-push)" NANO_SIM_SIM8066-6-1-14-01-A 162.775,19.45 r90 top locked
J5 "Header 3x1 pin" HDR_1x3 39.859,21.125 r90 top
J6 "Header 3x1 pin" HDR_1x3 27.959,2.038 r90 top
J7 "Micro SD card holder" MICRO_SD_CARD_114-00841-68_v2 6.593,80.1 r270 top locked
J8 "Header 5X1" Header1x5_TH_LOCKING 165.875,68.275 r270 top
J9 "ETHERNET WITH MAGNETICS" RJ45_ETHERNET_MAG_A70-112-331N126 85,99.75 r180 top locked
J10 "Header 10X2" HEADER10X2_TH_LOCK 164.35,43.25 r90 top locked
J11 "Header 4x1" HEADER4X1_TH 150.55,44.1 r90 top
J12 "Header 7X2" Header7x2_TH 151.625,63.525 r90 top
J13 "Header 2X2" HEADER2X2_TH 84.8,86.35 r180 top
J14 "A/V, 3.5mm" Audio_jack_3.5mm -0.925,94.4 r0 top
J15 "FPC 15-pin" FPC_CONNECTOR_15pin_1-1734248-5 140.5,22.375 r0 top
J16 "FPC 15-pin" FPC_CONNECTOR_15pin_1-1734248-5 140.5,31.375 r0 top
J17 "Header 4x1" HEADER4X1_TH 14,94.25 r90 top
J18 "Header 2X1" HDR_1x2 38.6,2.05 r90 top
J19 "Header 2X1" HDR_1x2 130.75,103.675 r0 top
J20 "Header 2X1" Header1x2_TH_LOCKING 18.675,106.125 r0 top
J21 "SMA panel mount" SMA_connector_side 11.2,105.275 r270 top locked
J22 "U.FL/MMCX" MMCX_UFL_conn_u 20.725,98.325 r90 top
J23 "4 pin FAN header" Header1x4_TH_LOCKING_v2 4.287,14.066 r90 top
J24 "Header 2X1" Header1x2_TH_LOCKING 12.491,16.609 r90 top locked
J25 "Header 3x1 pin" HDR_1x3 157.8,4.225 r180 top
J26 "USB type C connector" DUAL_USB-C_632723100011 53.925,107.225 r180 top locked
J27 "Header 2X1" HDR_1x2 18.225,9.05 r90 top locked
J28 "Header 10X2" Header10x2_TH_2MM 26.3,32.1 r270 top locked
J29 "USB" HEADER4X1_TH 48.359,2.163 r0 top
J30 "48406-0003" Dual_USB_48406-0003_Molex 11.26,30.8 r270 top locked
J31 "HDMI Type A socket (angle)" HDMI_2007435-3 8.2,49.898 r180 top
J32 "HDMI Type A socket (angle)" HDMI_2007435-3 8.2,66.098 r180 top
J33 "U.FL/MMCX" MMCX_UFL_conn_u 152.4,35.425 r90 top
J34 "SMA panel mount" SMA_connector_side 26.2,105.275 r270 top locked
J35 "U.FL/MMCX" MMCX_UFL_conn_u 110.075,9.725 r270 top
J36 "Header 3X2" Header3x2 158.6,64.325 r90 top
J37 "SMA panel mount" SMA_connector_side 41.2,105.275 r270 top locked
J38 "Header 3x1 pin" HDR_1x3 39.859,15.075 r90 top
J39 "Header 3x1 pin" HDR_1x3 39.859,9.025 r90 top
J40 "Header 3x1 pin" HDR_1x3 27.959,9.025 r90 top
J41 "Header 3x1 pin" HDR_1x3 27.959,15.075 r90 top
J42 "Header 3x1 pin" HDR_1x3 156.775,55.925 r180 top
J43 "Batt" HDR_1x2 146.1,37.45 r0 top
J44 "U.FL/MMCX" MMCX_UFL_conn_u 134.375,74.075 r90 top
J45 "U.FL/MMCX" MMCX_UFL_conn_u 164.74,79.525 r0 top
J46 "U.FL/MMCX" MMCX_UFL_conn_u 126.74,79.525 r0 top
J47 "SMA panel mount" SMA_connector_side 158.8,105.275 r270 top locked
J48 "SMA panel mount" SMA_connector_side 120.8,105.275 r270 top locked
J49 "U.FL/MMCX" MMCX_UFL_conn_u 145.74,79.525 r0 top
J50 "U.FL/MMCX" MMCX_UFL_conn_u 107.74,79.525 r0 top
J51 "SMA panel mount" SMA_connector_side 139.8,105.275 r270 top locked
J52 "SMA panel mount" SMA_connector_side 101.8,105.275 r270 top locked
J53 "Header 2X1" HDR_1x2 11.9,9.05 r90 top
J54 "CONN_PWR_JACK_2.1x5.5mm" CONN_PWR_JACK_v2 69.15,112.975 r0 top locked
J55 "Header 2X1" Header1x2_TH_LOCKING 40.1,67.525 r0 top
J56 "Header 2X1" Header1x2_TH_LOCKING 35.25,96.3 r270 top
J57 "Scap" 874370443_1P5_SMD_HEADER 28.05,52.975 r270 top
J58 "Scap" HEADER4X1_TH 28,46.8 r180 top
L1 "47nH" RES0402#2 130.2,71.05 r0 top
L2 "220nH, 2%" RES0603#1 153.825,87.325 r90 top
L3 "220nH, 2%" RES0603#1 115.825,87.325 r90 top
L4 "22nH, 2%" RES0603#1 155.025,89.65 r0 top
L5 "22nH, 2%" RES0603#1 117.025,89.65 r0 top
L6 "22nH, 2%" RES0603#1 146.59,86.75 r180 top
L7 "22nH, 2%" RES0603#1 108.59,86.75 r180 top
L8 "1uH, 3.2A" NRS4018T3R3MDGJ_inductor 63.975,87 r90 top
L9 "1uH, 3.2A" NRS4018T3R3MDGJ_inductor 44.225,93.55 r270 bottom
L10 "2.2µH" FDVE1040_TOKO_INDUCTOR 42.089,29.825 r180 top
L11 "3.3µH" FDVE1040_TOKO_INDUCTOR 44.225,50.7 r180 top
LED1 "LED_RG_SMD" LED-2x0603 73.785,2.628 r90 top
LED2 "LED_RG_SMD" LED-2x0603 81.285,2.628 r90 top
LED3 "LED_RG_SMD" LED-2x0603 88.785,2.628 r90 top
LED4 "LED_RG_SMD" LED-2x0603 96.285,2.625 r90 top
LED5 "LED_RG_SMD" LED-2x0603 103.785,2.625 r90 top
LED6 "LED_RG_SMD" LED-2x0603 66.285,2.628 r90 top
LED7 "LED_RG_SMD" LED-2x0603 111.285,2.625 r90 top
LED8 "LED_green" LED-0603-GREEN 94.2,108.2 r90 top
LED9 "Green" LED-0603-GREEN 48.15,108.175 r90 top
MECH13 "Light pipe" LIGHT_PIPE_RIGHT_ANGLE_SLP3-200-100-F 73.785,5.303 r270 top locked
MECH14 "Light pipe" LIGHT_PIPE_RIGHT_ANGLE_SLP3-200-100-F 81.285,5.303 r270 top locked
MECH15 "Light pipe" LIGHT_PIPE_RIGHT_ANGLE_SLP3-200-100-F 88.785,5.303 r270 top locked
MECH16 "Light pipe" LIGHT_PIPE_RIGHT_ANGLE_SLP3-200-100-F 96.285,5.303 r270 top locked
MECH17 "Light pipe" LIGHT_PIPE_RIGHT_ANGLE_SLP3-200-100-F 103.785,5.3 r270 top locked
MECH18 "Light pipe" LIGHT_PIPE_RIGHT_ANGLE_SLP3-200-100-F 66.285,5.303 r270 top locked
MECH19 "# pcs." PCB_standoff 3.5,3.5 r180 bottom
MECH20 "# pcs." PCB_standoff 3.5,106.5 r180 bottom
MECH21 "# pcs." PCB_standoff 166.5,106.5 r180 bottom
MECH22 "# pcs." PCB_standoff 166.5,3.5 r180 bottom
MECH35 "RF SHIELD FRAME" RF_SHIELD_FRAME_16P5x16P5_2118716-2_v1 141.35,90.875 r0 top
MECH36 "RF SHIELD FRAME" RF_SHIELD_FRAME_16P5x16P5_2118716-2_v1 103.35,90.875 r0 top
MECH37 "RF SHIELD FRAME" RF_SHIELD_FRAME_16P5x16P5_2118716-2_v1 160.35,90.875 r0 top locked
MECH38 "RF SHIELD FRAME" RF_SHIELD_FRAME_16P5x16P5_2118716-2_v1 122.35,90.875 r0 top locked
MECH39 "RF SHIELD COVER" RF_SHIELD_COVER_16Px916P9_2118715-2 160.35,90.875 r90 top
MECH40 "RF SHIELD COVER" RF_SHIELD_COVER_16Px916P9_2118715-2 103.35,90.89 r90 top
MECH41 "RF SHIELD COVER" RF_SHIELD_COVER_16Px916P9_2118715-2 141.35,90.89 r90 top
MECH42 "RF SHIELD COVER" RF_SHIELD_COVER_16Px916P9_2118715-2 122.35,90.875 r90 top
R1 "0R" RES0402#2 94,32.875 r270 top
R2 "0R" RES0402#1 100.8,20.9 r270 bottom
R3 "0R" RES0402#1 102.4,21.4 r0 bottom
R4 "0R" RES0402#1 112.475,23.1 r180 bottom
R5 "0R" RES0402#1 114.075,23.575 r90 bottom
R6 "0R" RES0805 57.175,42.4 r90 bottom
R7 "0R" RES0402#1 115.175,23.575 r90 bottom
R8 "0R" RES0402#1 112.075,31.775 r180 bottom
R9 "0R" RES0402#1 89.125,66.925 r270 bottom
R10 "0R" RES0402#2 153.09,19.11 r0 top
R11 "0R" RES0402#1 88.025,66.925 r270 bottom
R12 "0R" RES0402#1 113.675,32.275 r90 bottom
R13 "0R" RES0402#1 114.775,32.275 r90 bottom
R14 "100k, 1%" RES0402#1 45.4,35.275 r270 bottom
R15 "10k, 1%" RES0402#1 54.1,59.4 r90 bottom
R16 "2k2, 1%" RES0402#1 160.6,52.15 r180 bottom